# Altium PCB V1-PCB-illumination.PcbDoc
Units mm, origin at the board's own origin, x right, y up, seen from the top; angles counter-clockwise.
Board outline 138 x 119.15 mm, 2 copper layers (Top Layer, Bottom Layer), stack 1.571 mm thick; 73 components, 38 nets, 185 pads, 421 vias.
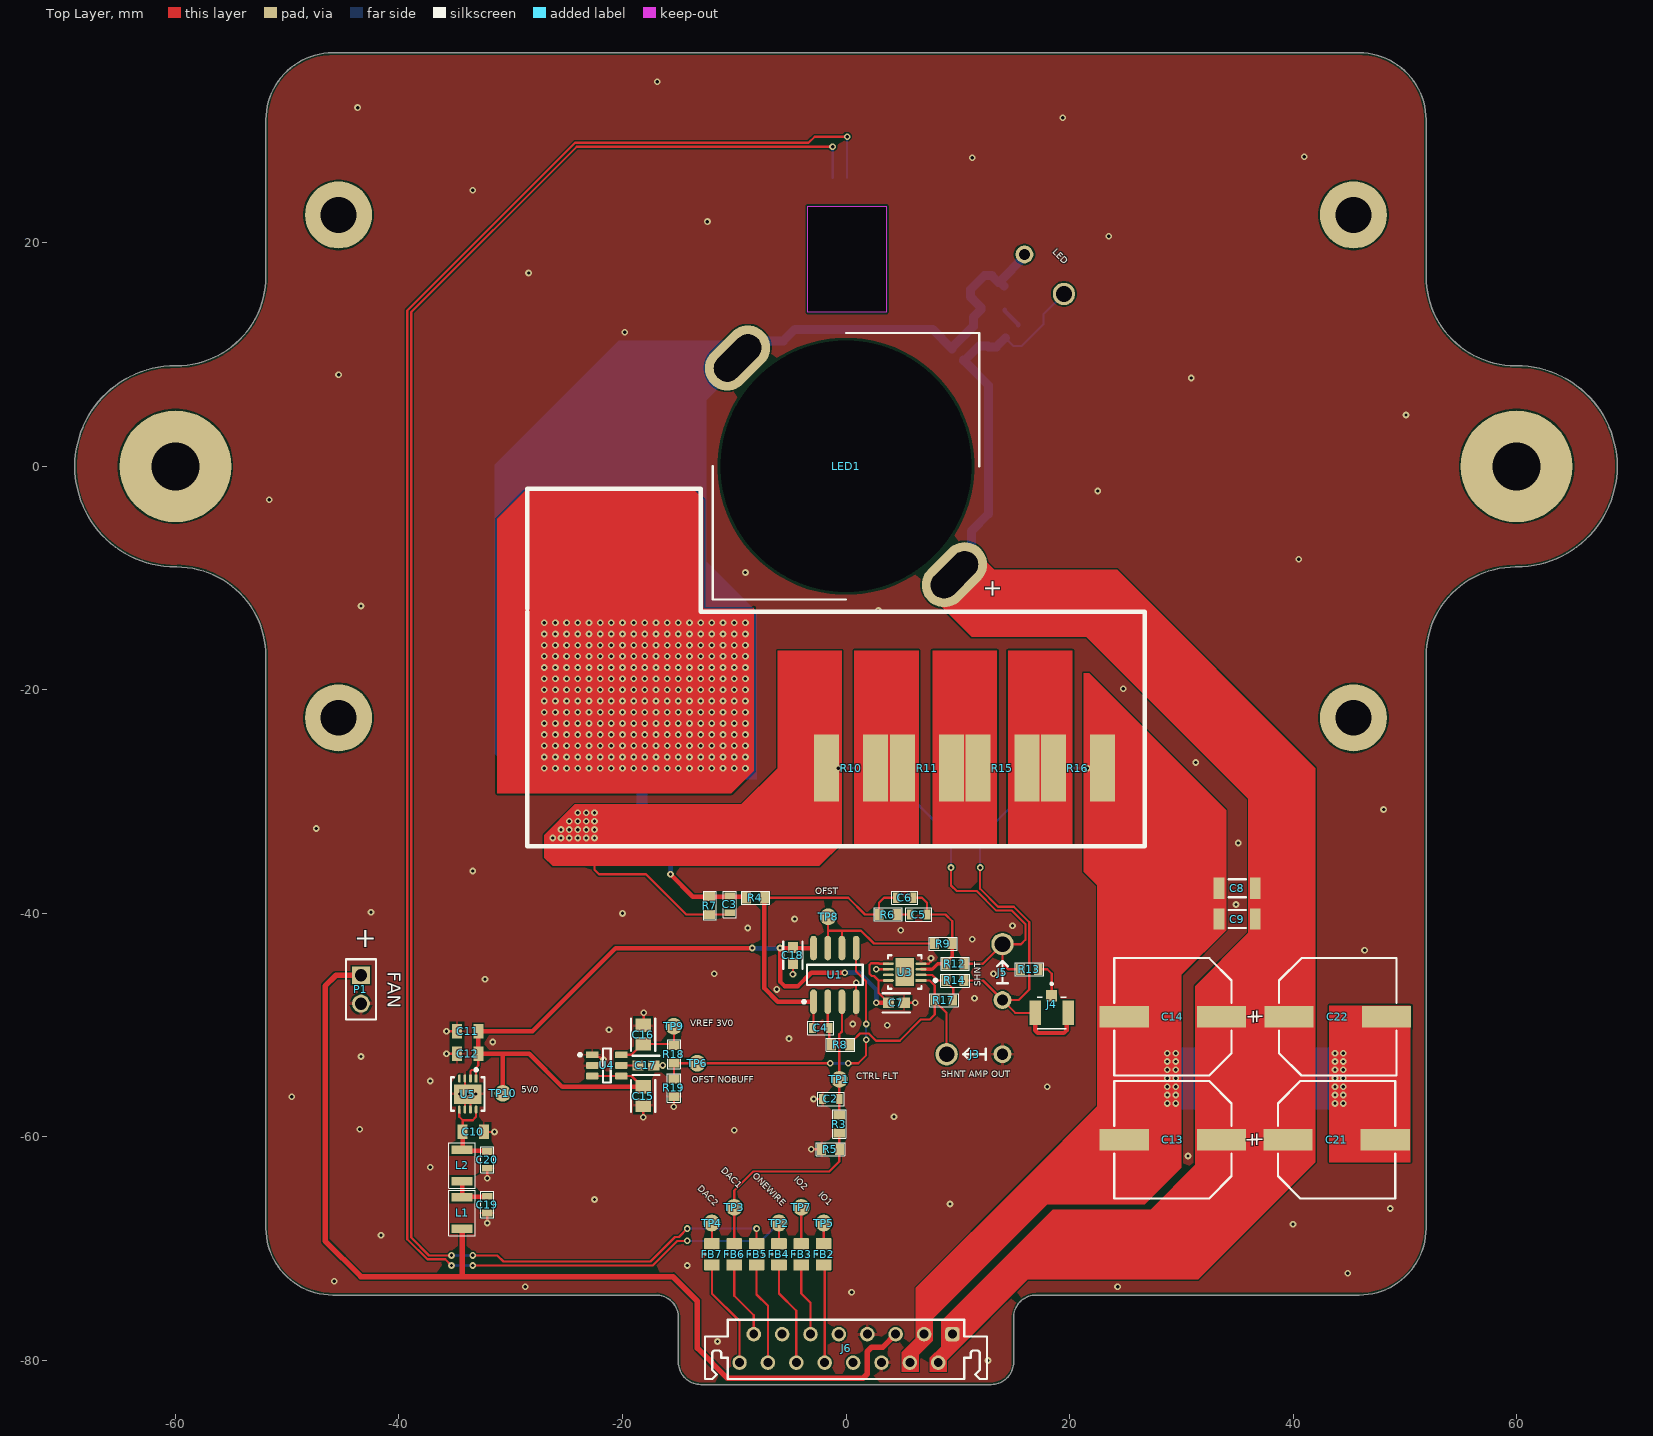
[diagram p0: Top Layer view]
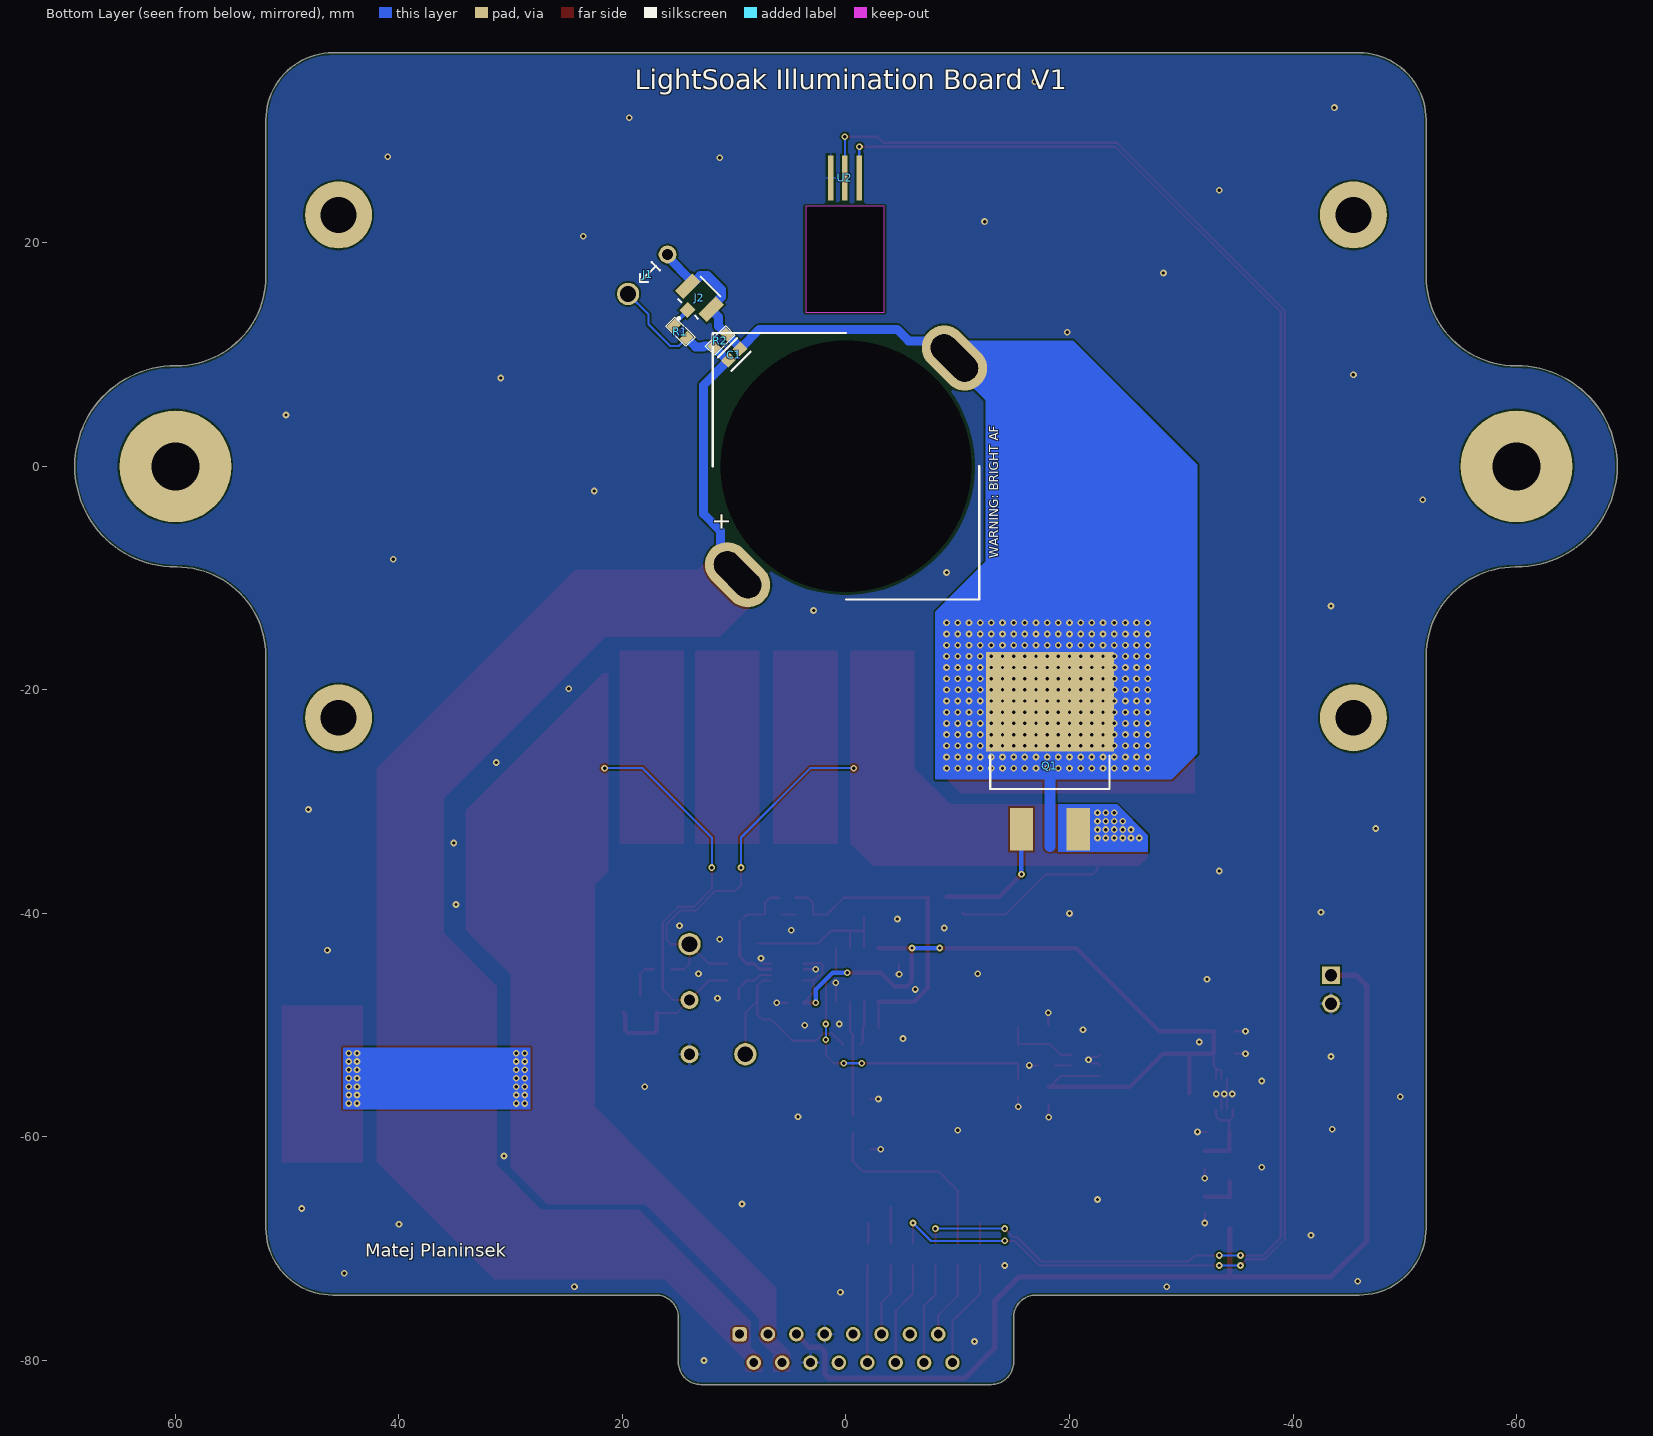
[diagram p1: Bottom Layer view, seen from below]
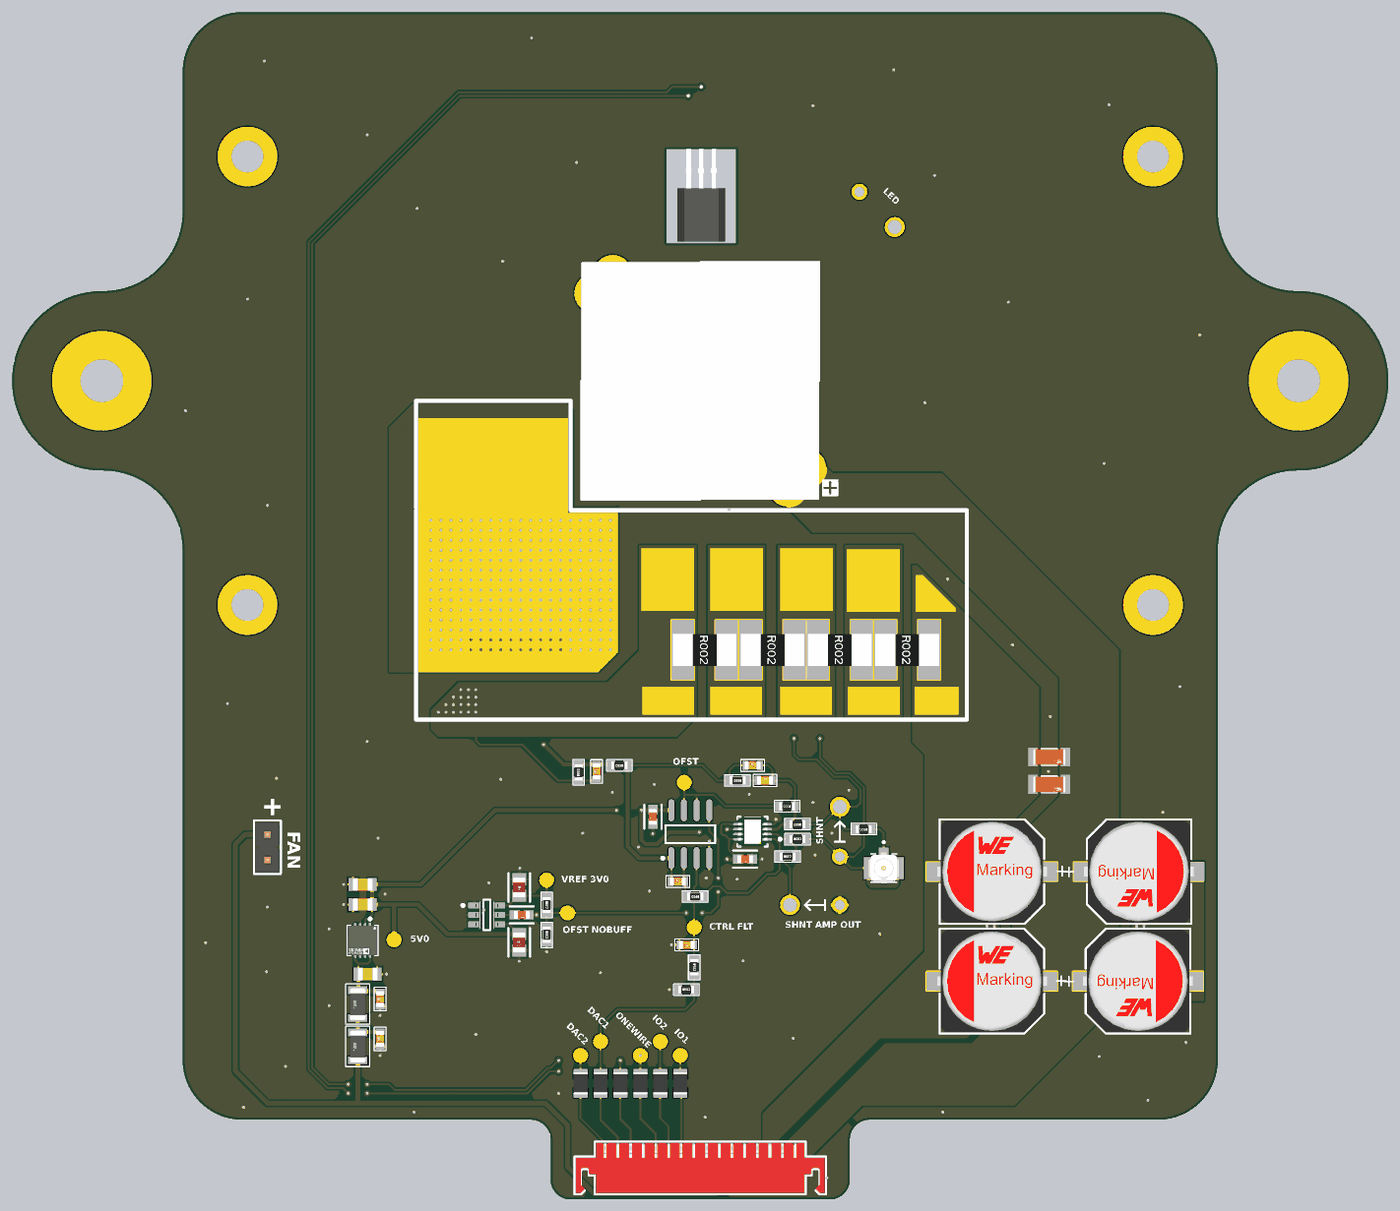
[diagram p2: 3D render of the assembled board from above, using the file's embedded part models]
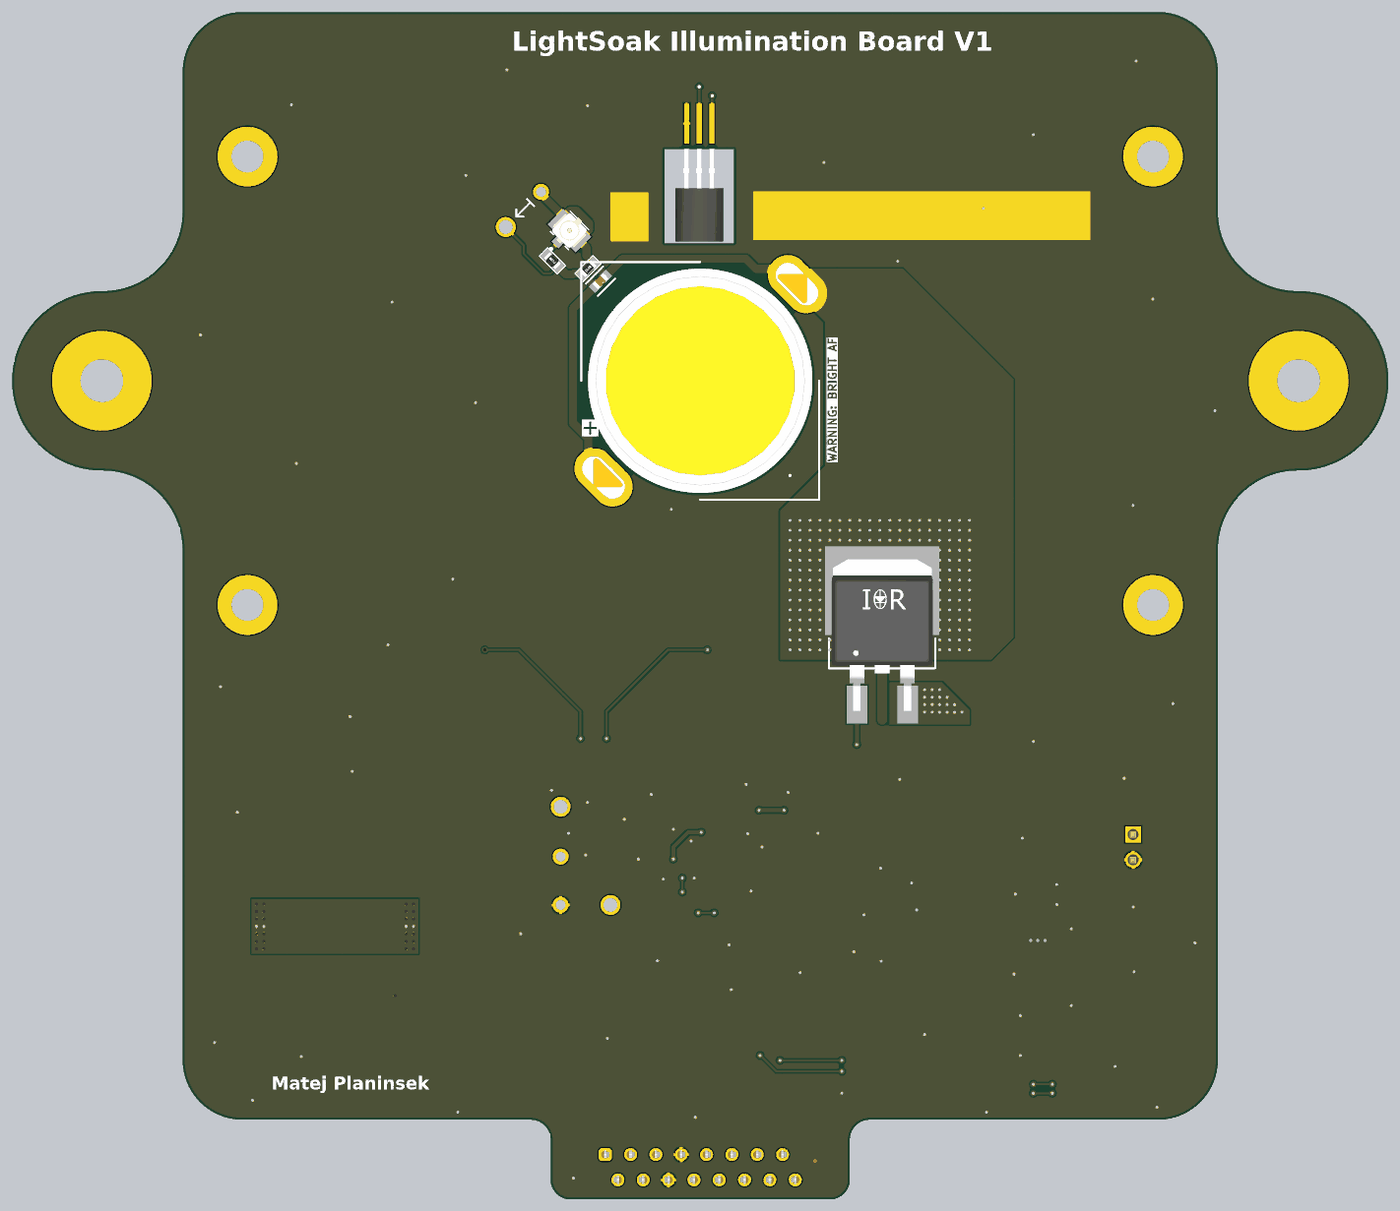
[diagram p3: 3D render of the assembled board from below, using the file's embedded part models]

## Layer stack, top to bottom
Top Solder: solder mask 0.0102, Solder Resist, Dk 3.5
Top Layer: signal copper 0.0356
Dielectric 1: dielectric 1.5, FR-4, Dk 4.8
Bottom Layer: signal copper 0.0356
Bottom Solder: solder mask 0.0102, Solder Resist, Dk 3.5

## Board outline
-51.9,-68.15 ccw(c-45.9,-68.15) -45.9,-74.15 -17,-74.15 cw(c-17,-76.15) -15,-76.15 -15,-80.15 ccw(c-13,-80.15) -13,-82.15 13,-82.15 ccw(c13,-80.15) 15,-80.15 15,-76.15 cw(c17,-76.15) 17,-74.15 45.9,-74.15 ccw(c45.9,-68.15) 51.9,-68.15 51.9,-17 cw(c59.9,-17) 59.9,-9 60,-9 ccw(c60,0) 60,9 59.9,9 cw(c59.9,17) 51.9,17 51.9,31 ccw(c45.9,31) 45.9,37 -45.9,37 ccw(c-45.9,31) -51.9,31 -51.9,17 cw(c-59.9,17) -59.9,9 -60,9 ccw(c-60,0) -60,-9 -59.9,-9 cw(c-59.9,-17) -51.9,-17

## Design rules (kind name [scope] priority, off if disabled: settings)
BoardOutlineClearance [All] p1: gap=0.2 ignorepadtopadclearanceinfootprint=FALSE
Clearance [All] p1: gap=0.15 ignorepadtopadclearanceinfootprint=FALSE except(0.25: Arc-Hole Track-Hole THPad-Hole Via-Hole Fill-Hole Poly-Hole Region-Hole Text-Hole)
ComponentClearance [All] p1: gap=0 collisioncheckmode=3 verticalgap=0 showdistances=TRUE
DiffPairsRouting [All] p1: maxlimit=0.15 minlimit=0.15 mostfreqgap=0.15 toplayer_minwidth=0.2 toplayer_maxwidth=0.335 toplayer_prefwidth=0.335 bottomlayer_minwidth=0.2 bottomlayer_maxwidth=0.335 bottomlayer_prefwidth=0.335 impedanceprofiledriven=TRUE maxuncoupledlength=12.7
Height [All] p1: minheight=0 maxheight=1816.048 prefheight=12.7
HoleSize [All] p1: absolutevalues=TRUE maxlimit=6.3 minlimit=0.3 maxpercent=80.000 minpercent=20.000
HoleToHoleClearance [All] p1: gap=0.25 allowstackedmicrovias=FALSE
MinimumAnnularRing [All] p1: minimumring=0.076
MinimumSolderMaskSliver [All] p1: minsoldermaskwidth=0
PasteMaskExpansion [All] p1: expansion=0 percent=-10.000000
PlaneClearance [All] p1: clearance=0.102
PlaneConnect PlaneConnectPowerPads [InPadClass('PowerPads')] p1: planeconnectstyle=Direct reliefexpansion=0.508 reliefentries=4 reliefconductorwidth=0.254 reliefairgap=0.254
PlaneConnect [All] p2: pad.planeconnectstyle=Relief pad.reliefexpansion=0.3 pad.reliefentries=4 pad.reliefconductorwidth=0.102 pad.reliefairgap=0.102 via.planeconnectstyle=Direct via.reliefexpansion=0.3 via.reliefentries=4 via.reliefconductorwidth=0.127 via.reliefairgap=0.127
PolygonConnect PolygonConnectPowerPads [All vs (InPadClass('PowerPads'))] p1: connectstyle=Direct reliefconductorwidth=0.254 reliefentries=4 polygonreliefangle="90 Angle" airgapwidth=0.254
PolygonConnect [All] p2: thpad.connectstyle=Relief thpad.reliefconductorwidth=0.3 thpad.reliefentries=4 thpad.polygonreliefangle="90 Angle" thpad.airgapwidth=0.2 smdpad.connectstyle=Relief smdpad.reliefconductorwidth=0.2 smdpad.reliefentries=4 smdpad.polygonreliefangle="90 Angle" smdpad.airgapwidth=0.2 via.connectstyle=Direct via.reliefconductorwidth=0.127 via.reliefentries=4 via.polygonreliefangle="90 Angle" via.airgapwidth=0.127
RoutingVias [All] p1: holewidth=0.3 width=0.6 viastyle="Through Hole" minholewidth=0.2 minwidth=0.45 maxholewidth=6.3 maxwidth=6.55
SilkToSilkClearance [All] p1: silktosilkclearance=0
SilkToSolderMaskClearance [IsPad] p1: minsilkscreentomaskgap=0.08 clearancetoexposedcopper=TRUE
SolderMaskExpansion SolderMaskExpansion_VIAS [IsVia] p1: expansion=0.102 istentingtop=TRUE // SolderMask expansion for vias (defines tenting)
SolderMaskExpansion [All] p2: expansion=0.102 istentingtop=FALSE
Width [All] p1: maxlimit=1816.048 minlimit=0.09 preferedwidth=0.102 minimp=50.000000 maximp=50.000000 favimp=50.000000
19 further rules are at their usual default settings.

## Components (designator, comment, footprint, x,y, rotation, side; value= is the part's Value field where it differs from the comment)
C1 "885012206095" FP-885012206095-IPC_B 10,10 r135 bottom
C2 "PN_C0603_2n2" FPR_0603_C_R0 -1.35,-56.6 r180 top value=2.2n
C3 "PN_C0603_10n" FPR_0603_C_R0 -10.4,-39.2 r90 top value=10n
C4 "PN_C0603_100p" FPR_0603_C_R0 -2.25,-50.25 r0 top value=100p
C5 "PN_C0603_100p" FPR_0603_C_R0 6.5,-40.1 r0 top value=100p
C6 "PN_C0603_100p" FPR_0603_C_R0 5.25,-38.6 r0 top value=100p
C7 "885012206095" FP-885012206095-IPC_B 4.5,-48 r0 top
C8 "885012208094" FP-885012208094-IPC_B 35,-37.75 r180 top
C9 "885012208094" FP-885012208094-IPC_B 35,-40.5 r180 top
C10 "885012107018" WCAP-CSGP_0805_L2W1.25H1.25 -33.35,-59.55 r180 top
C11 "885012107018" WCAP-CSGP_0805_L2W1.25H1.25 -33.85,-50.55 r0 top
C12 "885012107018" WCAP-CSGP_0805_L2W1.25H1.25 -33.85,-52.55 r0 top
C13 "865060657011" WCAP-ASLL_D10H10.5 29.25,-60.25 r0 top
C14 "865060657011" WCAP-ASLL_D10H10.5 29.25,-49.25 r0 top
C15 "885012207078" FP-885012207078-IPC_B -18.15,-56.35 r270 top
C16 "885012207078" FP-885012207078-IPC_B -18.15,-50.85 r90 top
C17 "885012206095" FP-885012206095-IPC_B -17.9,-53.6 r0 top
C18 "885012206095" FP-885012206095-IPC_B -4.75,-43.75 r270 top
C19 "PN_C0603_TBD" FPR_0603_C_R0 -32.1,-66.05 r90 top value=TBD
C20 "PN_C0603_TBD" FPR_0603_C_R0 -32.1,-62.05 r90 top value=TBD
C21 "865060657011" WCAP-ASLL_D10H10.5 43.9,-60.25 r180 top
C22 "865060657011" WCAP-ASLL_D10H10.5 44,-49.25 r180 top
FB2 "120Ω @ 100MHz" SMD_0805 -2,-70.5 r270 top
FB3 "120Ω @ 100MHz" SMD_0805 -4,-70.5 r90 top
FB4 "120Ω @ 100MHz" SMD_0805 -6,-70.5 r270 top
FB5 "120Ω @ 100MHz" SMD_0805 -8,-70.5 r270 top
FB6 "120Ω @ 100MHz" SMD_0805 -10,-70.5 r90 top
FB7 "120Ω @ 100MHz" SMD_0805 -12,-70.5 r270 top
J1 "Scope probe point" "scope with ground spring probe point" 19.5,15.425 r45 bottom
J2 "CONUFL001-SMD-T" LINX_CONUFL001-SMD-T 13.117,15.081 r225 bottom
J3 "Scope probe point" "scope with ground spring probe point" 9,-52.6 r90 top
J4 "CONUFL001-SMD-T" LINX_CONUFL001-SMD-T 18.4,-48.9 r180 top
J5 "Scope probe point" "scope with ground spring probe point" 14,-42.75 r0 top
J6 "690368191672" 690368191672 0,-79 r0 top locked
L1 "L-TBD" FPR_1216_R_R0 -34.35,-66.8 r90 top value=TBD
L2 "L-TBD" FPR_1216_R_R0 -34.35,-62.55 r90 top value=TBD
LED1 "CREE-CXA2530" CXA2530-SolderMount 0,0 r270 top locked
P1 "61300211121" 61300211121 -43.4,-46.8 r270 top
Q1 "IRL3705NSTRLPBF" FP-PG-TO263-3-MFG -18.25,-25.5 r180 bottom
R1 "PN_R0603_450R" FPR_0603_R_R0 14.825,12.05 r225 bottom value=450
R2 "PN_R0603_100k" FPR_0603_R_R0 11.25,11.25 r315 bottom value=100k
R3 "PN_R0603_680R" FPR_0603_R_R0 -0.6,-58.85 r270 top value=680
R4 "PN_R0603_100R" FPR_0603_R_R0 -8.1,-38.6 r180 top value=100
R5 "PN_R0603_100k" FPR_0603_R_R0 -1.4,-61.1 r0 top value=100k
R6 "PN_R0603_4k7" FPR_0603_R_R0 3.75,-40.1 r180 top value=4.7k
R7 "PN_R0603_10k" FPR_0603_R_R0 -12.2,-39.3 r90 top value=10k
R8 "PN_R0603_2k2" FPR_0603_R_R0 -0.5,-51.75 r180 top value=2.2k
R9 "PN_R0603_4k7_0%1_10ppm" FPR_0603_R_R0 8.7,-42.7 r180 top value=4.7k
R10 "TLRP3A30CR180FTE" FPR_CRF2512_R0-endToEnd 0.45,-27 r180 top value=0R18
R11 "TLRP3A30CR180FTE" FPR_CRF2512_R0-endToEnd 7.25,-27 r180 top value=0R18
R12 "PN_R0603_1k8_0%1_10ppm" FPR_0603_R_R0 9.75,-44.5 r180 top value=1.8k
R13 "PN_R0603_450R" FPR_0603_R_R0 16.4,-45 r180 top value=450
R14 "PN_R0603_1k8_0%1_10ppm" FPR_0603_R_R0 9.75,-46 r0 top value=1.8k
R15 "TLRP3A30CR180FTE" FPR_CRF2512_R0-endToEnd 14,-27 r180 top value=0R18
R16 "TLRP3A30CR180FTE" FPR_CRF2512_R0-endToEnd 20.75,-27 r180 top value=0R18
R17 "PN_R0603_4k7_0%1_10ppm" FPR_0603_R_R0 8.75,-47.75 r0 top value=4.7k
R18 "PN_R0603_47k_0%1_10ppm" FPR_0603_R_R0 -15.4,-52.6 r270 top value=47k
R19 "PN_R0603_1k5_0%1_10ppm" FPR_0603_R_R0 -15.4,-55.6 r270 top value=1.5k
TP1 "Test Point" "Test Point 1.5mm SMD" -0.6,-54.85 r0 top
TP2 "Test Point" "Test Point 1.5mm SMD" -6,-67.7 r90 top
TP3 "Test Point" "Test Point 1.5mm SMD" -10,-66.3 r90 top
TP4 "Test Point" "Test Point 1.5mm SMD" -12,-67.7 r90 top
TP5 "Test Point" "Test Point 1.5mm SMD" -2,-67.7 r90 top
TP6 "Test Point" "Test Point 1.5mm SMD" -13.3,-53.4 r90 top
TP7 "Test Point" "Test Point 1.5mm SMD" -4,-66.3 r90 top
TP8 "Test Point" "Test Point 1.5mm SMD" -1.6,-40.3 r90 top
TP9 "Test Point" "Test Point 1.5mm SMD" -15.4,-50.1 r90 top
TP10 "Test Point" "Test Point 1.5mm SMD" -30.7,-56.1 r90 top
U1 "LTC2051CS8#PBF" LT-S8-8_N -1,-45.5 r90 top
U2 "DS18B20+" "to-92 horiyontal boardhole" 0.1,17.8 r90 top
U3 "LTC6244CDD#PBF" FP-DD-8-05-08-1698-IPC_A 5.25,-45.25 r180 top
U4 "REF35300QDBVR" FP-DBV0006A-MFG -21.4,-53.6 r0 top
U5 "ADP7105ACPZ-5.0-R7" FP-CP-8-5-IPC_C -33.85,-56.162 r270 top
